# KiCad board motordriver.kicad_pcb (continued)
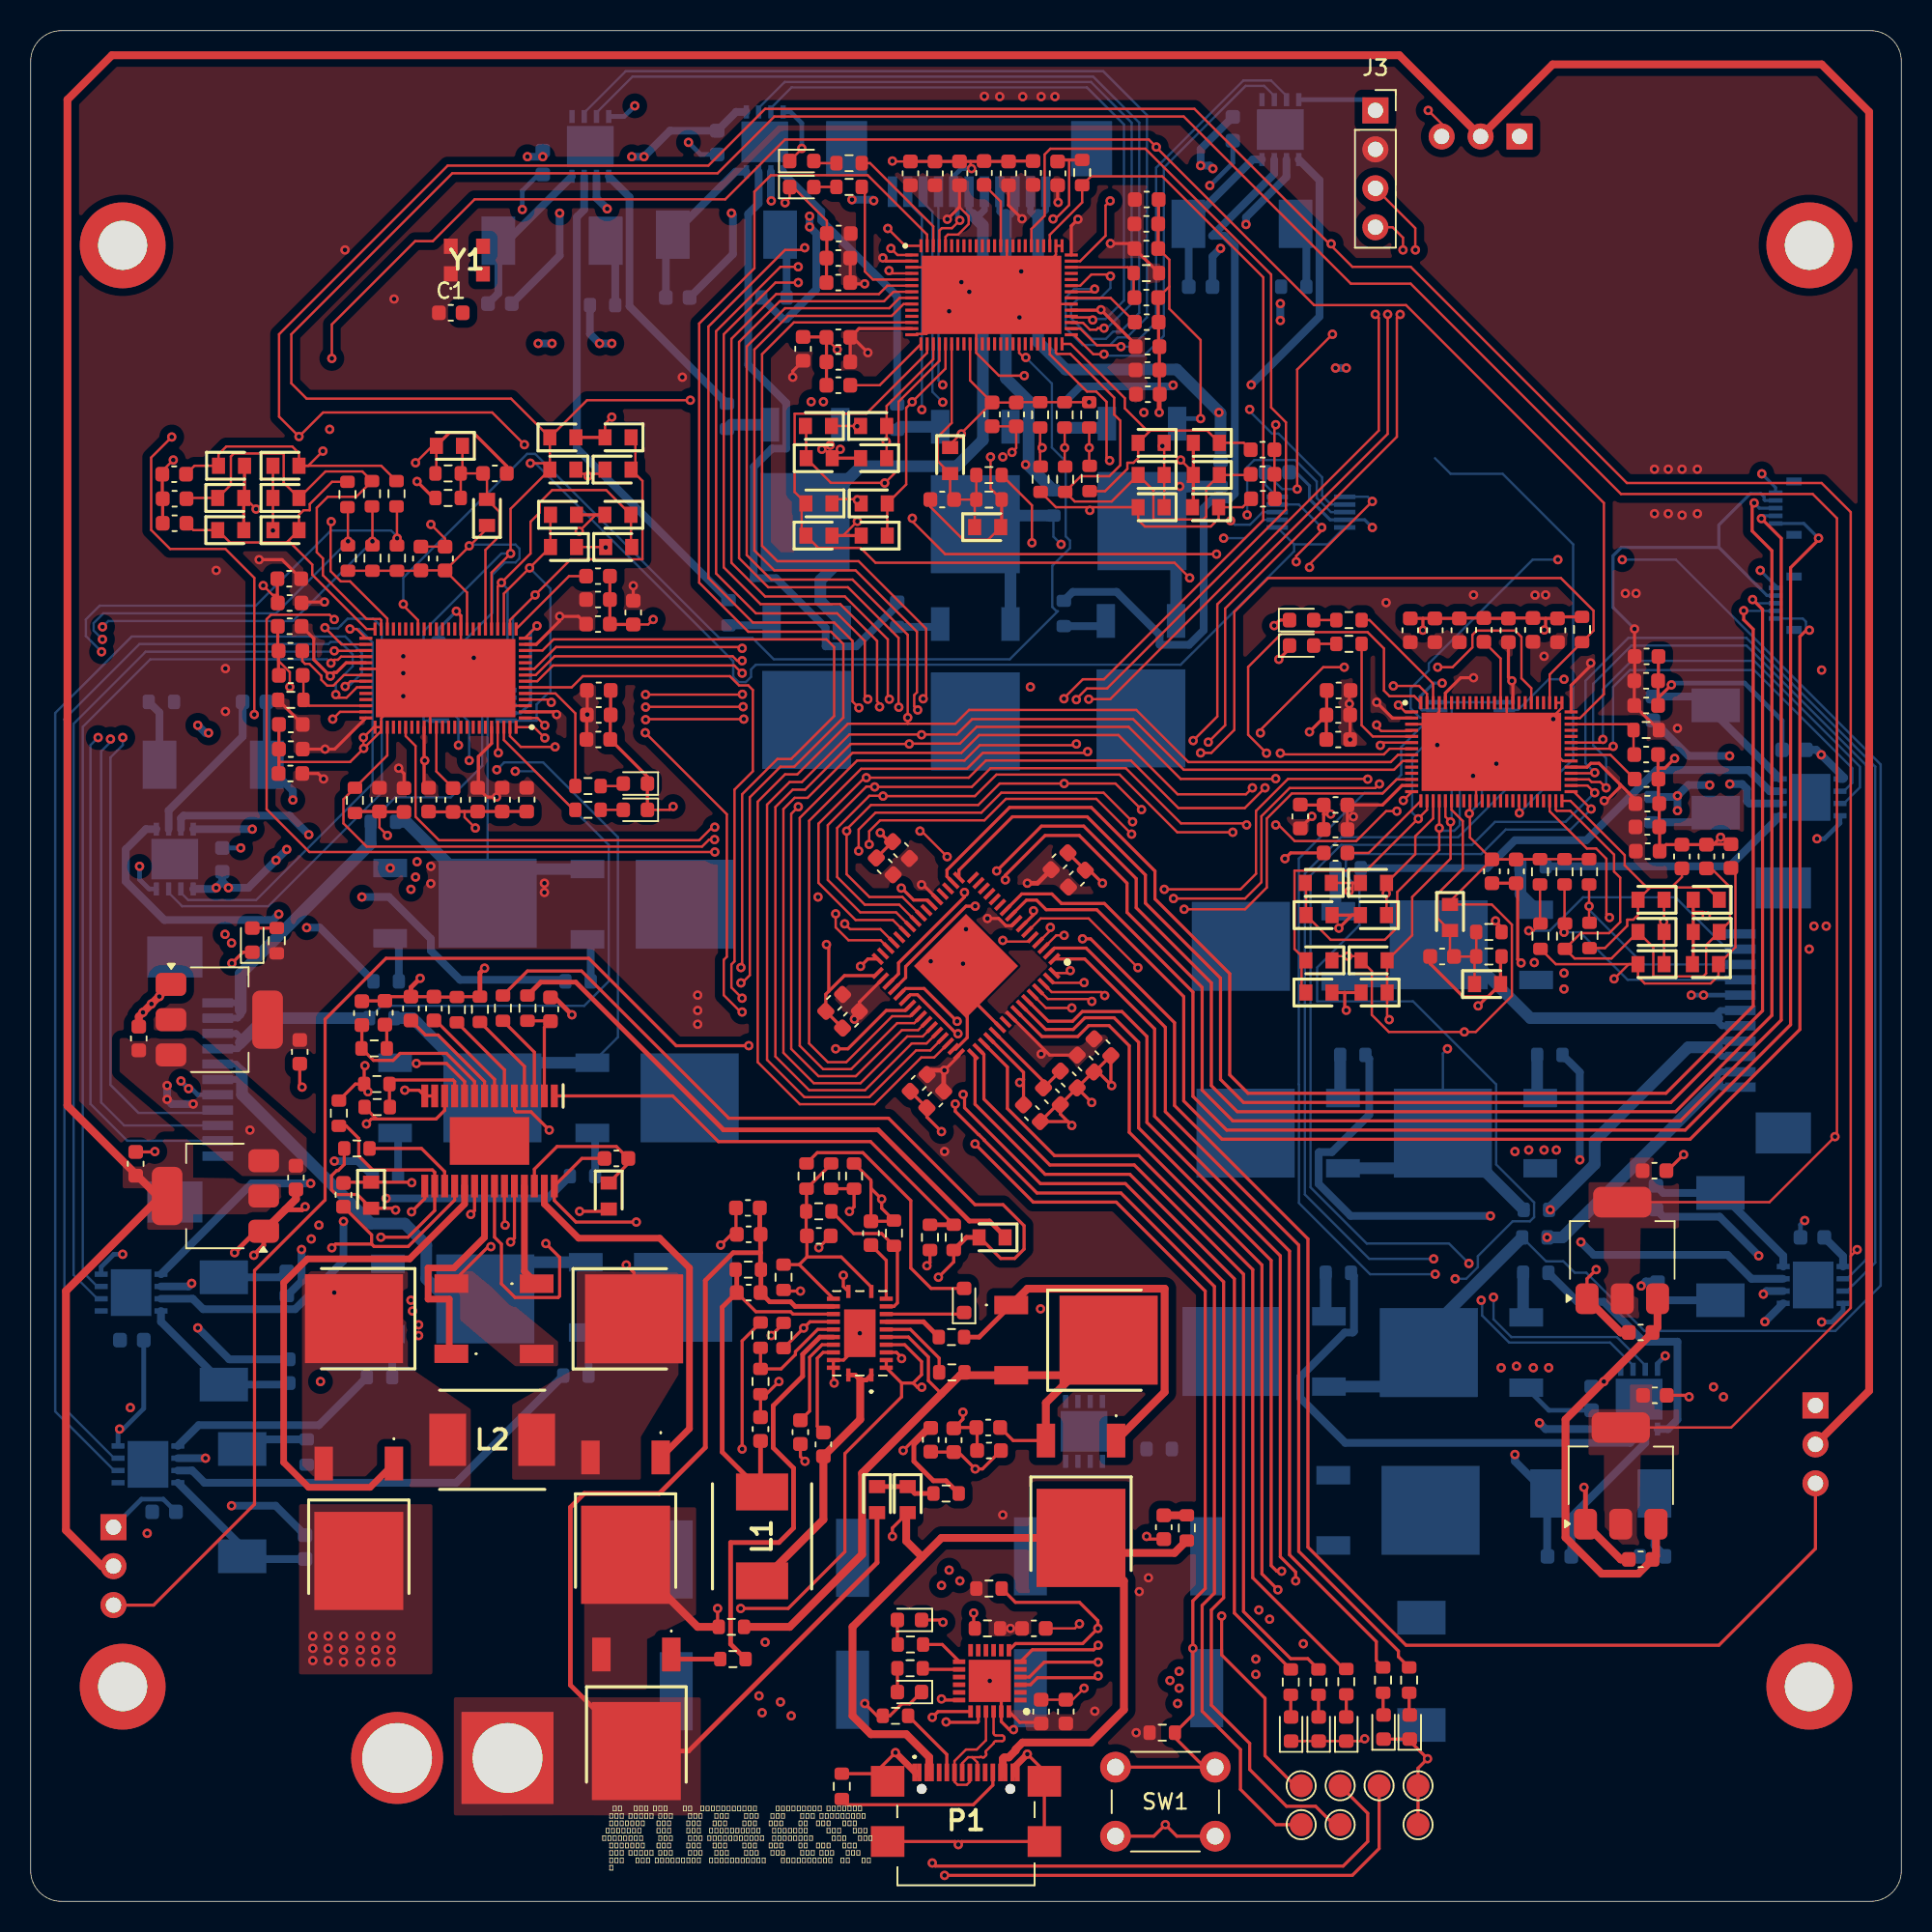
[diagram p0: board, top side]
## Placement (name value [footprint] x y rotation side) (continued)
R44  4.7kΩ  [R_0603_1608Metric]  67.44 96.94 270 top
R45  4.7kΩ  [R_0603_1608Metric]  65.84 96.94 270 top
R46  1kΩ  [R_0603_1608Metric]  65.87 92.75 270 top
R47  1kΩ  [R_0603_1608Metric]  67.47 92.75 270 top
R48  1kΩ  [R_0603_1608Metric]  69.06 92.8 270 top
R49  10kΩ  [R_0603_1608Metric]  68.57 112.75 90 top
R50  1kΩ  [R_0603_1608Metric]  53.38 113.36 0 top
R51  10kΩ  [R_0603_1608Metric]  72.76 106.19 0 top
R52  1kΩ  [R_0603_1608Metric]  53.38 111.81 0 top
R53  100kΩ  [R_0603_1608Metric]  62.5 93.02 180 top
R54  20kΩ  [R_0603_1608Metric]  62.5 91.42 0 top
R55  1kΩ  [R_0603_1608Metric]  89.9 14.43 90 top
R56  1kΩ  [R_0603_1608Metric]  88.2 14.43 90 top
R57  1kΩ  [R_0603_1608Metric]  82.18 14.3 90 top
R58  1kΩ  [R_0603_1608Metric]  83.99 14.3 90 top
R59  1kΩ  [R_0603_1608Metric]  85.8 14.32 90 top
R60  1kΩ  [R_0603_1608Metric]  62.5 20.4 180 top
R61  10kΩ  [R_0603_1608Metric]  62.4 17.8 0 top
R62  1kΩ  [R_0603_1608Metric]  57.38 16.75 0 top
R63  1kΩ  [R_0603_1608Metric]  57.35 15.2 0 top
R64  4.7kΩ  [R_0603_1608Metric]  20.69 87.6 90 top
R65  4.7kΩ  [R_0603_1608Metric]  22.29 87.6 90 top
R66  4.7kΩ  [R_0603_1608Metric]  23.89 87.6 90 top
R67  1kΩ  [R_0603_1608Metric]  23.86 91.8 90 top
R68  1kΩ  [R_0603_1608Metric]  22.26 91.8 90 top
R69  1kΩ  [R_0603_1608Metric]  20.66 91.75 90 top
R70  10kΩ  [R_0603_1608Metric]  21.15 71.8 270 top
R71  1kΩ  [R_0603_1608Metric]  36.35 71.19 180 top
R72  10kΩ  [R_0603_1608Metric]  16.96 78.36 180 top
R73  1kΩ  [R_0603_1608Metric]  36.35 72.73 180 top
R74  100kΩ  [R_0603_1608Metric]  27.22 91.53 0 top
R75  20kΩ  [R_0603_1608Metric]  27.22 93.12 180 top
R76  5Ω  [R_0603_1608Metric]  18 29.3 90 bottom
R77  4.7Ω  [R_0603_1608Metric]  35.56 34.29 0 bottom
R78  4.7Ω  [R_0603_1608Metric]  22.75 34.19 180 bottom
R79  5Ω  [R_0603_1608Metric]  16.7 40.3 90 bottom
R80  4.7Ω  [R_0603_1608Metric]  35.99 47.3 0 bottom
R81  4.7Ω  [R_0603_1608Metric]  23.14 47.3 180 bottom
R82  5Ω  [R_0603_1608Metric]  8.53 78.22 180 bottom
R83  4.7Ω  [R_0603_1608Metric]  35.7 60 0 bottom
R84  4.7Ω  [R_0603_1608Metric]  23.19 60 180 bottom
R85  0.01Ω  [R_0603_1608Metric]  23 70.4 0 bottom
R86  0.01Ω  [R_0603_1608Metric]  22.9 57.6 0 bottom
R87  4.7Ω  [R_0603_1608Metric]  73.6 29.5 180 bottom
R89  4.7kΩ  [R_0603_1608Metric]  101.63 67.14 270 top
R90  4.7kΩ  [R_0603_1608Metric]  100.03 67.14 270 top
R91  4.7kΩ  [R_0603_1608Metric]  98.44 67.14 270 top
R92  1kΩ  [R_0603_1608Metric]  98.47 62.94 270 top
R93  1kΩ  [R_0603_1608Metric]  100.06 62.94 270 top
R94  1kΩ  [R_0603_1608Metric]  101.66 63 270 top
R95  10kΩ  [R_0603_1608Metric]  101.18 82.94 90 top
R96  1kΩ  [R_0603_1608Metric]  85.97 83.56 0 top
R97  10kΩ  [R_0603_1608Metric]  105.36 76.39 0 top
R98  1kΩ  [R_0603_1608Metric]  85.97 82.01 0 top
R99  100kΩ  [R_0603_1608Metric]  95.1 63.22 180 top
R100  20kΩ  [R_0603_1608Metric]  95.1 61.62 0 top
R101  5Ω  [R_0603_1608Metric]  105.7 71.2 270 bottom
R102  4.7Ω  [R_0603_1608Metric]  85.92 67.38 180 bottom
R103  4.7Ω  [R_0603_1608Metric]  97.98 67.5 0 bottom
R104  5Ω  [R_0603_1608Metric]  106.1 39.6 270 bottom
R105  4.7Ω  [R_0603_1608Metric]  86.22 55.2 180 bottom
R106  4.7Ω  [R_0603_1608Metric]  99.07 55.2 0 bottom
R107  5Ω  [R_0603_1608Metric]  105.78 22.5 0 bottom
R108  4.7Ω  [R_0603_1608Metric]  85.28 40.99 180 bottom
R109  4.7Ω  [R_0603_1608Metric]  98.16 40.99 0 bottom
R110  0.01Ω  [R_0603_1608Metric]  98.1 43.3 180 bottom
R111  0.01Ω  [R_0603_1608Metric]  98.2 45.1 180 bottom
S1  ~  [PinHeader_1x03_P2.54mm_Vertical]  5.4 24.4 180 bottom
S2  ~  [PinHeader_1x03_P2.54mm_Vertical]  97.1 115.1 90 bottom
S3  ~  [PinHeader_1x03_P2.54mm_Vertical]  116.4 32.34 180 bottom
SW1  PUSH  [SW_PUSH_6mm]  70.75 8.75 0 top
TP1  RX  [TestPoint_Pad_D1.5mm]  82.86 5 0 top
TP2  TX  [TestPoint_Pad_D1.5mm]  85.4 5 0 top
TP3  GND  [TestPoint_Pad_D1.5mm]  90.48 7.54 0 top
TP4  SWCLK  [TestPoint_Pad_D1.5mm]  82.86 7.54 0 top
TP5  SWCLK  [TestPoint_Pad_D1.5mm]  85.4 7.54 0 top
TP6  SWDIO  [TestPoint_Pad_D1.5mm]  87.94 7.54 0 top
TP7  GND  [TestPoint_Pad_D1.5mm]  90.48 5 0 top
U1  LD1117S25TR_SOT223  [SOT-223-3_TabPin2]  103.8 42.45 90 top
U2  LD1117S33TR_SOT223  [SOT-223-3_TabPin2]  12.3 57.5 0 top
U3  LD1117S50TR_SOT223  [SOT-223-3_TabPin2]  12.05 46 180 top
U4  LD1117S50TR_SOT223  [SOT-223-3_TabPin2]  103.7 27.75 90 top
U5  TMC4671-LA  [QFN40P1050X650X90-77N]  62.66 104.77 0 top
U6  ATSAMD11D14A-M  [QFN50P400X400X90-25N-D]  62.55 14.38 180 top
U7  TMC4671-LA  [QFN40P1050X650X90-77N]  27.06 79.78 180 top
U8  TMC4671-LA  [QFN40P1050X650X90-77N]  95.26 74.97 0 top
Y1  DSC6001CI2B-025.0000T  [DSC6001CI2B0250000T]  28.45 107.04 0 top

## Library data of the parts
C1-C7 C9-C37 C39-C116 C118-C153 C155 = -: Description: Unpolarized capacitor; ki_fp_filters: C_*
C8 C38 C117 C154 = -: Description: Aluminum Electrolytic Capacitors - SMD 220uF 35volts; Height: 10.5; Mouser Part Number: 594-MAL215099001E3; Mouser Price/Stock: https://www.mouser.co.uk/ProductDetail/Vishay-BC-Components/MAL215099001E3?qs=Ep9Lwju7gVqiNejX6ixLsw%3D%3D; Manufacturer_Name: Vishay; Manufacturer_Part_Number: MAL215099001E3
D1-D3 D54-D57 D76-D78 = -: Description: Schottky diode; Height: 2.62; Mouser Part Number: 78-SL44HE3_B/I; Mouser Price/Stock: https://www.mouser.com/Search/Refine.aspx?Keyword=78-SL44HE3_B%2FI; Manufacturer_Name: Vishay; Manufacturer_Part_Number: SL44HE3_B/I; ki_fp_filters: TO-???* *_Diode_* *SingleDiode* D_*
D4 D5 D7 D9-D22 D24 D25 D27 D28 D36-D47 D49 D50 D52 D53 D58-D69 D71 D72 D74 D75 = -: Description: Schottky diode; Height: 0.85; Mouser Part Number: 750-CDBU0520; Mouser Price/Stock: https://www.mouser.co.uk/ProductDetail/Comchip-Technology/CDBU0520?qs=QrYNfmA0esYvGSGDalbccA%3D%3D; Manufacturer_Name: Comchip Technology; Manufacturer_Part_Number: CDBU0520; ki_fp_filters: TO-???* *_Diode_* *SingleDiode* D_*
D6 D8 D23 D26 D29-D35 D48 D51 D70 D73 = -: Description: Light emitting diode; ki_fp_filters: LED* LED_SMD:* LED_THT:*
H1-H4 = -: Description: Mounting Hole with connection; ki_fp_filters: MountingHole*Pad*
IC1-IC3 IC8-IC10 IC12-IC15 = -: Datasheet: http://www.ti.com/lit/gpn/LM5109B; Description: High Voltage 1A Peak Half Bridge Gate Driver; Height: 0.8; Mouser Part Number: 926-LM5109BSDX/NOPB; Mouser Price/Stock: https://www.mouser.co.uk/ProductDetail/Texas-Instruments/LM5109BSDX-NOPB?qs=QbsRYf82W3F6fMiLbkf%252BhQ%3D%3D; Manufacturer_Name: Texas Instruments; Manufacturer_Part_Number: LM5109BSDX/NOPB
IC4 IC11 IC16 = -: Datasheet: http://www.ti.com/lit/gpn/ina2181; Description: Dual Channel, 26V, Bi-Directional, Low-/High-Side Voltage Output Current Sense Amp; Height: 1.1; Manufacturer_Name: Texas Instruments; Arrow Price/Stock: https://www.arrow.com/en/products/ina2181a2idgsr/texas-instruments?region=nac; Mouser Part Number: 595-INA2181A2IDGSR; Mouser Price/Stock: https://www.mouser.co.uk/ProductDetail/Texas-Instruments/INA2181A2IDGSR?qs=j%252B1pi9TdxUbSc7%2FF4x4s3g%3D%3D
IC5 = -: Datasheet: http://www.ti.com/lit/gpn/BQ24133; Description: Synchronous Switch-Mode Li-Ion and Li-Polymer Stand-Alone Battery Charger; Height: 1; Mouser Part Number: 595-BQ24133RGYR; Mouser Price/Stock: https://www.mouser.co.uk/ProductDetail/Texas-Instruments/BQ24133RGYR?qs=O1HRStiETChtddIVJFsUHw%3D%3D; Manufacturer_Name: Texas Instruments
IC6 = -: Datasheet: http://www.ti.com/lit/gpn/LM5176; Description: 55V wide VIN synchronous 4-switch buck-boost controller; Height: 1.2; Manufacturer_Name: Texas Instruments; Arrow Price/Stock: https://www.arrow.com/en/products/lm5176pwpr/texas-instruments?region=nac; Mouser Part Number: 595-LM5176PWPR; Mouser Price/Stock: https://www.mouser.co.uk/ProductDetail/Texas-Instruments/LM5176PWPR?qs=gt1LBUVyoHk0fvuzFST3Ew%3D%3D
IC7 = -: Datasheet: http://www.microchip.com/mymicrochip/filehandler.aspx?ddocname=en599585; Description: ARM Microcontrollers - MCU 120MHZ 256KB Flash 64 QFN PKG inTray 125CTemp; Description_1: ARM Microcontrollers - MCU 120MHZ 256KB Flash 64 QFN PKG inTray 125CTemp; Height: 1; Manufacturer_Name: Microchip; Mouser Part Number: 556-ATSAME53J18A-MF; Mouser Price/Stock: https://www.mouser.co.uk/ProductDetail/Microchip-Technology/ATSAME53J18A-MF?qs=y6ZabgHbY%252Bx%252BZfU%252BT4hn9g%3D%3D
J1 J2 = -: Datasheet: https://cdn.amphenol-cs.com/media/wysiwyg/files/drawing/59453-0_2110echlf.pdf; Description: 0.50mm Flex Connectors, FPC/FFC Side Entry ZIF Connector, Surface Mount, 5 Positions, Top Contact, 0.50mm (0.020in) Pitch.; Height: 1; Manufacturer_Name: Amphenol Communications Solutions; Manufacturer_Part_Number: 59453-052110ECHLF
J3 = -: Description: Generic connector, single row, 01x04, script generated; ki_fp_filters: Connector*:*_1x??_*
J4 = -: MF: AMASS; MAXIMUM_PACKAGE_HEIGHT: 16.00 mm; Package: Package; Price: None; Check_prices: https://www.snapeda.com/parts/XT60-M/AMASS/view-part/?ref=eda; STANDARD: IPC 7351B; PARTREV: V1.2; SnapEDA_Link: https://www.snapeda.com/parts/XT60-M/AMASS/view-part/?ref=snap; Description_1: Plug; DC supply; XT60; male; PIN: 2; for cable; soldered; 30A; 500V; Availability: Not in stock; MANUFACTURER: AMASS
J5-J7 = -: Datasheet: https://componentsearchengine.com/Datasheets/2/1-84952-1.pdf; Description: FFC & FPC Connectors 1MM FPC HORZ .BTTM CONT.ASS.11P; Height: 2.74; Mouser Part Number: 571-1-84952-1; Mouser Price/Stock: https://www.mouser.co.uk/ProductDetail/TE-Connectivity/1-84952-1?qs=uUkeXfjQ8uS9Vjbveobf0Q%3D%3D; Manufacturer_Name: TE Connectivity
L1 = -: Description: Inductor; Height: 3; Mouser Part Number: 70-IHLP2525CZER3R3M0; Mouser Price/Stock: https://www.mouser.co.uk/ProductDetail/Vishay-Dale/IHLP2525CZER3R3M01?qs=PA%252BPfIdQ8xlEO%252B8WW0W2Xw%3D%3D; Manufacturer_Name: Vishay; Manufacturer_Part_Number: IHLP2525CZER3R3M01; ki_fp_filters: Choke_* *Coil* Inductor_* L_*
L2 = -: Description: Inductor; Height: 3; Mouser Part Number: 70-IHLP2525CZR1R0M06; Mouser Price/Stock: https://www.mouser.co.uk/ProductDetail/Vishay-Dale/IHLP2525CZER1R0M06?qs=gMuw6kkpPFiOvUjVH4k3sQ%3D%3D; Manufacturer_Name: Vishay; Manufacturer_Part_Number: IHLP2525CZER1R0M06; ki_fp_filters: Choke_* *Coil* Inductor_* L_*
P1 = -: Datasheet: https://gct.co/files/drawings/usb4110.pdf; Description: CONN USB 2.0 TYPE-C R/A SMT; Height: 3.26; Mouser Part Number: 640-USB4110-GF-A; Mouser Price/Stock: https://www.mouser.co.uk/ProductDetail/GCT/USB4110-GF-A?qs=KUoIvG%2F9IlYiZvIXQjyJeA%3D%3D; Manufacturer_Name: GCT (GLOBAL CONNECTOR TECHNOLOGY); Manufacturer_Part_Number: USB4110-GF-A
Q1-Q8 Q10-Q26 = -: Datasheet: https://www.infineon.com/dgdl/Infineon-IPD047N03LF2S-DataSheet-v01_00-EN.pdf?fileId=8ac78c8c92416ca50192b89c5f296484; Description: N-Channel 30 V 71A (Tc) 65W (Tc) Surface Mount PG-TO252-3; Description_1: N-Channel 30 V 71A (Tc) 65W (Tc) Surface Mount PG-TO252-3; Height: 2.52; Manufacturer_Name: Infineon; Manufacturer_Part_Number: IPD047N03LF2SATMA1
Q9 = -: Datasheet: https://www.infineon.com/dgdl/Infineon-IPD70P04P4L-08-DataSheet-v01_02-EN.pdf?fileId=db3a30432f69f146012f78225bd32dbf; Description: P-Channel 40 V 70A (Tc) 75W (Tc) Surface Mount PG-TO252-3-313; Description_1: P-Channel 40 V 70A (Tc) 75W (Tc) Surface Mount PG-TO252-3-313; Height: 2.5; Mouser Part Number: 726-IPD70P04P4L08ATM; Mouser Price/Stock: https://www.mouser.co.uk/ProductDetail/Infineon-Technologies/IPD70P04P4L08ATMA2?qs=GBLSl2AkirsG%2F%252BiweZHiEQ%3D%3D; Manufacturer_Name: Infineon; Manufacturer_Part_Number: IPD70P04P4L08ATMA2
R1-R87 R89-R111 = -: Description: Resistor; ki_fp_filters: R_*
S1-S3 = -: Description: Generic connector, single row, 01x03, script generated; ki_fp_filters: Connector*:*_1x??_*
SW1 = -: Description: Push button switch, generic, two pins
TP1-TP7 = -: Description: test point; ki_fp_filters: Pin* Test*
U1 = -: Datasheet: http://www.st.com/st-web-ui/static/active/en/resource/technical/document/datasheet/CD00000544.pdf; Description: 800mA Fixed Low Drop Positive Voltage Regulator, Fixed Output 2.5V, SOT-223; ki_fp_filters: SOT?223*TabPin2*
U2 = -: Datasheet: http://www.st.com/st-web-ui/static/active/en/resource/technical/document/datasheet/CD00000544.pdf; Description: 800mA Fixed Low Drop Positive Voltage Regulator, Fixed Output 3.3V, SOT-223; ki_fp_filters: SOT?223*TabPin2*
U3 U4 = -: Datasheet: http://www.st.com/st-web-ui/static/active/en/resource/technical/document/datasheet/CD00000544.pdf; Description: 800mA Fixed Low Drop Positive Voltage Regulator, Fixed Output 5.0V, SOT-223; ki_fp_filters: SOT?223*TabPin2*
U5 U7 U8 = -: Datasheet: https://www.analog.com/TMC4671/datasheet; Description: Fully integrated servo controller, providing Field Oriented Control for BLDC/PMSM and 2-phase Stepper Motors as well as DC motors and voice coils.; Height: 0.9; Mouser Part Number: 700-TMC4671-LA; Mouser Price/Stock: https://www.mouser.co.uk/ProductDetail/ADI-Trinamic/TMC4671-LA?qs=TiOZkKH1s2Q5Kur6316zpQ%3D%3D; Manufacturer_Name: Analog Devices
U6 = -: Datasheet: http://ww1.microchip.com/downloads/en/devicedoc/atmel-42363-sam-d11_datasheet.pdf; Description: ARM Microcontrollers - MCU Cortex-M0+, 16KB FLASH,4KB SRAM, USB - 24 QFN,105C, GREEN,1.6-3.6V,48MHz,USB; Height: 0.9; Mouser Part Number: 556-ATSAMD11D14A-MNT; Mouser Price/Stock: https://www.mouser.co.uk/ProductDetail/Microchip-Technology/ATSAMD11D14A-MNT?qs=TUMPge1mmM4EmPH0BaBkuQ%3D%3D; Manufacturer_Name: Microchip; Manufacturer_Part_Number: ATSAMD11D14A-MNT
Y1 = -: Datasheet: https://ww1.microchip.com/downloads/aemDocuments/documents/TCG/ProductDocuments/DataSheets/DSC60xxB-Ultra-Small-Ultra-Low-Power-MEMS-Oscillator-DS20006133.pdf; Description: Standard Clock Oscillators MEMS OSC, LVCMOS, 25MHz, 25PPM, 1.8-3.3V, -40 to 85C, 3.2 x 2.5mm; Height: 0.9; Mouser Part Number: 579-1CI2B-025.0000T; Mouser Price/Stock: https://www.mouser.co.uk/ProductDetail/Microchip-Technology/DSC6001CI2B-025.0000T?qs=jRuttqqUwMT3Lnl3VzC%2FgA%3D%3D; Manufacturer_Name: Microchip

## Footprints (pads in the part's own frame, mm; a bottom-side part is the same pattern mirrored in y, then rotated)
1849521
  rect 0.61x2 smd: 1(-5,3.7) 2(-4,3.7) 3(-3,3.7) 4(-2,3.7) 5(-1,3.7) 6(0,3.7) 7(1,3.7) 8(2,3.7) 9(3,3.7) 10(4,3.7) 11(5,3.7)
  rect 2.68x3.6 smd: MP1(-7.99,0.9) MP2(7.99,0.9)
59453052110ECHLF
  rect 0.3x0.9 smd: 1(-1,1.6) 2(-0.5,1.6) 3(0,1.6) 4(0.5,1.6) 5(1,1.6)
  rect 0.52x1 smd: 6(-1.74,0.4) 7(1.74,0.4)
AMASS_XT60-M
  round 6 hole 4.55: N(3.6,0)
  rect 6x6 hole 4.55: P(-3.6,0)
BQ24133RGYR
  rect 0.85x0.28 smd: 1(-2.725,-0.75) 12(2.725,-0.75) 13(2.725,0.75) 24(-2.725,0.75)
  rect 0.28x0.85 smd: 2(-2.25,-1.725) 3(-1.75,-1.725) 4(-1.25,-1.725) 5(-0.75,-1.725) 6(-0.25,-1.725) 7(0.25,-1.725) 8(0.75,-1.725) 9(1.25,-1.725) 10(1.75,-1.725) 11(2.25,-1.725) 14(2.25,1.725) 15(1.75,1.725) 16(1.25,1.725) 17(0.75,1.725) 18(0.25,1.725) 19(-0.25,1.725) 20(-0.75,1.725) 21(-1.25,1.725) 22(-1.75,1.725) 23(-2.25,1.725)
  rect 3.1x2.05 smd: 25(0,0)
C_0603_1608Metric
  rrect 0.9x0.95 smd: 1(-0.775,0) 2(0.775,0)
CAPAE1050X1050N
  rect 5.1x2.15 smd: 1(-4.3,0) 2(4.3,0)
D_0603_1608Metric
  rrect 0.875x0.95 smd: 1(-0.787,0) 2(0.787,0)
DIOC1709X85N
  rect 0.85x1.05 smd: 1(-0.85,0) 2(0.85,0)
DIOM7959X262N
  rect 2.2x3.15 smd: 1(-3.5,0) 2(3.5,0)
DSC6001CI2B0250000T
  rect 0.9x1 smd: 1(-1.05,-0.9) 2(1.05,-0.9) 3(1.05,0.9) 4(-1.05,0.9)
INDPM6965X300N
  rect 2.4x3.4 smd: 1(-2.9,0) 2(2.9,0)
IPD047N03LF2SATMA1
  rect 1.2x2.2 smd: 1(-2.29,-4.235) 3(2.29,-4.235)
  rect 5.8x6.4 smd: 2(0,2.115)
IPD70P04P4L08ATMA2
  rect 1.2x2.2 smd: 1(-2.28,-5.22) 3(2.28,-5.22)
  rect 5.8x6.4 smd: 2(0,1.08)
MountingHole_3.2mm_M3_DIN965_Pad
  round 5.6 hole 3.2: 1(0,0)
PinHeader_1x03_P2.54mm_Vertical
  rect 1.7x1.7 hole 1: 1(0,0)
  oval 1.7x1.7 hole 1: 2(0,-2.54) 3(0,-5.08)
PinSocket_1x04_P2.54mm_Vertical
  rect 1.7x1.7 hole 1: 1(0,0)
  oval 1.7x1.7 hole 1: 2(0,-2.54) 3(0,-5.08) 4(0,-7.62)
QFN40P1050X650X90-77N
  rect 0.85x0.2 smd: 1(-5.2,2.6) 2(-5.2,2.2) 3(-5.2,1.8) 4(-5.2,1.4) 5(-5.2,1) 6(-5.2,0.6) 7(-5.2,0.2) 8(-5.2,-0.2) 9(-5.2,-0.6) 10(-5.2,-1) 11(-5.2,-1.4) 12(-5.2,-1.8) 13(-5.2,-2.2) 14(-5.2,-2.6) 39(5.2,-2.6) 40(5.2,-2.2) 41(5.2,-1.8) 42(5.2,-1.4) 43(5.2,-1) 44(5.2,-0.6) 45(5.2,-0.2) 46(5.2,0.2) 47(5.2,0.6) 48(5.2,1) 49(5.2,1.4) 50(5.2,1.8) 51(5.2,2.2) 52(5.2,2.6)
  rect 0.2x0.85 smd: 15(-4.6,-3.2) 16(-4.2,-3.2) 17(-3.8,-3.2) 18(-3.4,-3.2) 19(-3,-3.2) 20(-2.6,-3.2) 21(-2.2,-3.2) 22(-1.8,-3.2) 23(-1.4,-3.2) 24(-1,-3.2) 25(-0.6,-3.2) 26(-0.2,-3.2) 27(0.2,-3.2) 28(0.6,-3.2) 29(1,-3.2) 30(1.4,-3.2) 31(1.8,-3.2) 32(2.2,-3.2) 33(2.6,-3.2) 34(3,-3.2) 35(3.4,-3.2) 36(3.8,-3.2) 37(4.2,-3.2) 38(4.6,-3.2) 53(4.6,3.2) 54(4.2,3.2) 55(3.8,3.2) 56(3.4,3.2) 57(3,3.2) 58(2.6,3.2) 59(2.2,3.2) 60(1.8,3.2) 61(1.4,3.2) 62(1,3.2) 63(0.6,3.2) 64(0.2,3.2) 65(-0.2,3.2) 66(-0.6,3.2) 67(-1,3.2) 68(-1.4,3.2) 69(-1.8,3.2) 70(-2.2,3.2) 71(-2.6,3.2) 72(-3,3.2) 73(-3.4,3.2) 74(-3.8,3.2) 75(-4.2,3.2) 76(-4.6,3.2)
  rect 9.1x5.1 smd: 77(0,0)
QFN50P400X400X90-25N-D
  rect 0.8x0.3 smd: 1(-2,1.25) 2(-2,0.75) 3(-2,0.25) 4(-2,-0.25) 5(-2,-0.75) 6(-2,-1.25) 13(2,-1.25) 14(2,-0.75) 15(2,-0.25) 16(2,0.25) 17(2,0.75) 18(2,1.25)
  rect 0.3x0.8 smd: 7(-1.25,-2) 8(-0.75,-2) 9(-0.25,-2) 10(0.25,-2) 11(0.75,-2) 12(1.25,-2) 19(1.25,2) 20(0.75,2) 21(0.25,2) 22(-0.25,2) 23(-0.75,2) 24(-1.25,2)
  rect 2.75x2.75 smd: 25(0,0)
QFN50P900X900X100-65N-D
  rect 0.9x0.25 smd: 1(-4.4,3.75) 2(-4.4,3.25) 3(-4.4,2.75) 4(-4.4,2.25) 5(-4.4,1.75) 6(-4.4,1.25) 7(-4.4,0.75) 8(-4.4,0.25) 9(-4.4,-0.25) 10(-4.4,-0.75) 11(-4.4,-1.25) 12(-4.4,-1.75) 13(-4.4,-2.25) 14(-4.4,-2.75) 15(-4.4,-3.25) 16(-4.4,-3.75) 33(4.4,-3.75) 34(4.4,-3.25) 35(4.4,-2.75) 36(4.4,-2.25) 37(4.4,-1.75) 38(4.4,-1.25) 39(4.4,-0.75) 40(4.4,-0.25) 41(4.4,0.25) 42(4.4,0.75) 43(4.4,1.25) 44(4.4,1.75) 45(4.4,2.25) 46(4.4,2.75) 47(4.4,3.25) 48(4.4,3.75)
  rect 0.25x0.9 smd: 17(-3.75,-4.4) 18(-3.25,-4.4) 19(-2.75,-4.4) 20(-2.25,-4.4) 21(-1.75,-4.4) 22(-1.25,-4.4) 23(-0.75,-4.4) 24(-0.25,-4.4) 25(0.25,-4.4) 26(0.75,-4.4) 27(1.25,-4.4) 28(1.75,-4.4) 29(2.25,-4.4) 30(2.75,-4.4) 31(3.25,-4.4) 32(3.75,-4.4) 49(3.75,4.4) 50(3.25,4.4) 51(2.75,4.4) 52(2.25,4.4) 53(1.75,4.4) 54(1.25,4.4) 55(0.75,4.4) 56(0.25,4.4) 57(-0.25,4.4) 58(-0.75,4.4) 59(-1.25,4.4) 60(-1.75,4.4) 61(-2.25,4.4) 62(-2.75,4.4) 63(-3.25,4.4) 64(-3.75,4.4)
  rect 4.8x4.8 smd: 65(0,0)
R_0603_1608Metric
  rrect 0.8x0.95 smd: 1(-0.825,0) 2(0.825,0)
SON80P400X400X80-9N
  rect 0.85x0.35 smd: 1(-1.95,1.2) 2(-1.95,0.4) 3(-1.95,-0.4) 4(-1.95,-1.2) 5(1.95,-1.2) 6(1.95,-0.4) 7(1.95,0.4) 8(1.95,1.2)
  rect 2.65x3.05 smd: 9(0,0)
SOP50P490X110-10N
  rect 1.4x0.3 smd: 1(-2.2,1) 2(-2.2,0.5) 3(-2.2,0) 4(-2.2,-0.5) 5(-2.2,-1) 6(2.2,-1) 7(2.2,-0.5) 8(2.2,0) 9(2.2,0.5) 10(2.2,1)
SOP65P640X120-29N
  rect 1.475x0.45 smd: 1(-2.938,4.225) 2(-2.938,3.575) 3(-2.938,2.925) 4(-2.938,2.275) 5(-2.938,1.625) 6(-2.938,0.975) 7(-2.938,0.325) 8(-2.938,-0.325) 9(-2.938,-0.975) 10(-2.938,-1.625) 11(-2.938,-2.275) 12(-2.938,-2.925) 13(-2.938,-3.575) 14(-2.938,-4.225) 15(2.938,-4.225) 16(2.938,-3.575) 17(2.938,-2.925) 18(2.938,-2.275) 19(2.938,-1.625) 20(2.938,-0.975) 21(2.938,-0.325) 22(2.938,0.325) 23(2.938,0.975) 24(2.938,1.625) 25(2.938,2.275) 26(2.938,2.925) 27(2.938,3.575) 28(2.938,4.225)
  rect 3.1x5.18 smd: 29(0,0)
SOT-223-3_TabPin2
  rrect 2x1.5 smd: 1(-3.15,2.3) 2(-3.15,0) 3(-3.15,-2.3)
  rrect 2x3.8 smd: 2(3.15,0)
SW_PUSH_6mm
  round 2 hole 1.1: 1(0,0) 1(6.5,0) 2(0,-4.5) 2(6.5,-4.5)
TestPoint_Pad_D1.5mm
  round 1.5 smd: 1(0,0)
USB4110GFA
  round 0.65 hole 0.65 unplated: (-2.89,2.603) (2.89,2.603)
  rect 0.3x1.15 smd: A1(-3.35,3.678) A4(-2.55,3.678) A5(-1.25,3.678) A6(-0.25,3.678) A7(0.25,3.678) A8(1.25,3.678) A9(2.55,3.678) A12(3.35,3.678) B1(3.05,3.678) B4(2.25,3.678) B5(1.75,3.678) B6(0.75,3.678) B7(-0.75,3.678) B8(-1.75,3.678) B9(-2.25,3.678) B12(-3.05,3.678)
  rect 2.18x2 smd: MP1(-5.11,-0.827) MP2(5.11,-0.827) MP3(-5.11,3.103) MP4(5.11,3.103)

## Nets
+2.5V: C13.1 D15.2 D16.1 D17.2 D18.1 D40.2 D41.1 D42.2 D43.1 D62.2 D63.1 D64.2 D65.1 IC4.5 IC4.6 IC11.5 IC11.6 IC16.5 IC16.6 U1.2 U5.17 U5.19 U7.17 U7.19 U8.17 U8.19
+3.3V: C1.1 C20.1 C39.2 C40.2 C41.2 C42.2 C44.2 C48.2 C49.2 C50.2 C51.2 C53.2 C54.2 C55.2 C56.2 C57.2 C59.2 C60.2 C62.2 C63.2 C67.1 C68.1 C69.1 C70.1 C71.1 C72.1 C73.1 C74.1 C75.1 C76.1 C77.1 C78.1 C82.1 C83.2 C84.2 C85.2 C86.2 C88.2 C92.2 C93.2 C94.2 C95.2 C97.2 C98.2 C99.2 C100.2 C101.2 C103.2 C104.2 C106.2 C107.2 C120.2 C121.2 C122.2 C123.2 C125.2 C129.2 C130.2 C131.2 C132.2 C134.2 C135.2 C136.2 C137.2 C138.2 C140.2 C141.2 C143.2 C144.2 IC7.8 IC7.21 IC7.34 IC7.48 IC7.56 J1.2 J2.2 J3.2 R29.2 R42.1 R51.2 R60.2 R61.2 R72.2 R97.2 U2.2 U5.2 U5.13 U5.43 U5.52 U5.61 U5.72 U6.24 U7.2 U7.13 U7.43 U7.52 U7.61 U7.72 U8.2 U8.13 U8.43 U8.52 U8.61 U8.72 Y1.1 Y1.4
+5V: C26.1 S1.2 S2.2 S3.2 U3.2
+5VA: C9.2 C31.1 C64.2 C66.2 C108.2 C110.2 C118.2 C145.2 C147.2 C155.2 D11.1 D13.1 D15.1 D17.1 D19.1 D21.1 D24.1 D27.1 D36.1 D38.1 D40.1 D42.1 D44.1 D46.1 D49.1 D52.1 D58.1 D60.1 D62.1 D64.1 D66.1 D68.1 D71.1 D74.1 IC4.10 IC11.10 IC16.10 R43.1 R44.1 R45.1 R64.1 R65.1 R66.1 R89.1 R90.1 R91.1 U4.2 U5.23 U7.23 U8.23
+12V: C3.1 C5.1 C7.1 C8.1 C10.1 C16.1 C22.1 C28.1 C38.1 C112.1 C114.1 C116.1 C117.1 C119.1 C149.1 C151.1 C153.1 C154.1 D57.1 IC1.1 IC2.1 IC3.1 IC6.12 IC6.24 IC8.1 IC9.1 IC10.1 IC12.1 IC13.1 IC14.1 IC15.1 J5.1 J6.1 J7.1 Q1.2 Q3.2 Q5.2 Q12.2 Q14.2 Q16.2 Q18.2 Q21.2 Q23.2 Q25.2 R1.1 R4.1 R7.1 R34.2 R53.1 R74.1 R76.1 R79.1 R82.1 R99.1 R101.1 R104.1 R107.1 U1.3 U2.3 U3.3 U4.3
/voltageregulators/VCC: D9.2 D10.2 IC6.23 R36.1
GND: C1.2 C3.2 C5.2 C7.2 C8.2 C9.1 C10.2 C11.2 C12.2 C13.2 C14.2 C15.2 C16.2 C18.2 C19.2 C20.2 C22.2 C23.2 C24.1 C26.2 C27.2 C28.2 C29.2 C30.2 C31.2 C32.1 C33.1 C34.1 C36.1 C38.2 C39.1 C40.1 C41.1 C42.1 C43.1 C44.1 C45.1 C46.1 C47.1 C48.1 C49.1 C50.1 C51.1 C52.2 C53.1 C54.1 C55.1 C56.1 C57.1 C58.1 C59.1 C60.1 C61.1 C62.1 C63.1 C64.1 C65.1 C66.1 C67.2 C68.2 C69.2 C70.2 C71.2 C72.2 C73.2 C74.2 C75.2 C76.2 C77.2 C78.2 C79.1 C80.1 C81.2 C82.2 C83.1 C84.1 C85.1 C86.1 C87.1 C88.1 C89.1 C90.1 C91.1 C92.1 C93.1 C94.1 C95.1 C96.2 C97.1 C98.1 C99.1 C100.1 C101.1 C102.1 C103.1 C104.1 C105.1 C106.1 C107.1 C108.1 C109.1 C110.1 C112.2 C114.2 C116.2 C117.2 C118.1 C119.2 C120.1 C121.1 C122.1 C123.1 C124.1 C125.1 C126.1 C127.1 C128.1 C129.1 C130.1 C131.1 C132.1 C133.2 C134.1 C135.1 C136.1 C137.1 C138.1 C139.1 C140.1 C141.1 C142.1 C143.1 C144.1 C145.1 C146.1 C147.1 C149.2 C151.2 C153.2 C154.2 C155.1 D8.1 D12.2 D14.2 D16.2 D18.2 D20.2 D22.2 D23.1 D25.2 D26.1 D28.2 D29.1 D30.1 D31.1 D32.1 D33.1 D34.1 D35.1 D37.2 D39.2 D41.2 D43.2 D45.2 D47.2 D48.1 D50.2 D51.1 D53.2 D57.2 D59.2 D61.2 D63.2 D65.2 D67.2 D69.2 D70.1 D72.2 D73.1 D75.2 H1.1 H2.1 H3.1 H4.1 IC1.4 IC2.4 IC3.4 IC4.4 IC5.22 IC5.23 IC5.25 IC6.5 IC6.10 IC6.13 IC6.14 IC6.15 IC6.22 IC7.7 IC7.22 IC7.33 IC7.47 IC7.54 IC7.65 IC8.4 IC9.4 IC10.4 IC11.4 IC12.4 IC13.4 IC14.4 IC15.4 IC16.4 J1.1 J2.1 J3.1 J4.N J5.5 J6.5 J7.5 P1.A1 P1.A12 P1.B1 P1.B12 P1.MP1 P1.MP2 P1.MP3 P1.MP4 Q2.3 Q4.3 Q6.3 Q15.3 Q17.3 Q19.3 Q20.2 Q20.3 Q22.3 Q24.3 Q26.3 R15.1 R18.1 R23.2 R25.1 R31.1 R32.1 R35.1 R38.1 R39.1 R40.2 R41.1 R49.2 R54.2 R70.2 R75.2 R95.2 R100.2 S1.1 S2.1 S3.1 SW1.2 TP3.1 TP7.1 U1.1 U2.1 U3.1 U4.1 U5.3 U5.14 U5.24 U5.44 U5.53 U5.54 U5.62 U5.73 U5.77 U6.23 U6.25 U7.3 U7.14 U7.24 U7.44 U7.53 U7.54 U7.62 U7.73 U7.77 U8.3 U8.14 U8.24 U8.44 U8.53 U8.54 U8.62 U8.73 U8.77 Y1.2
/brake/BRAKE: IC12.3 U5.31 U7.31 U8.31
/gates1/PHASE_U: IC4.2 J7.10 J7.11 R10.1
/gates1/PHASE_V: IC4.8 J7.8 J7.9 R11.1
/gates1/PHASE_W: J7.6 J7.7 Q5.3 Q6.2
/gates1/PWM_U_H: IC3.2 U5.39
/gates1/PWM_U_L: IC3.3 U5.40
/gates1/PWM_V_H: IC2.2 U5.41
/gates1/PWM_V_L: IC2.3 U5.42
/gates1/PWM_W_H: IC1.2 U5.46
/gates1/PWM_W_L: IC1.3 U5.47
/gates2/PHASE_U: IC11.2 J6.10 J6.11 R85.1
/gates2/PHASE_V: IC11.8 J6.8 J6.9 R86.1
/gates2/PHASE_W: J6.6 J6.7 Q18.3 Q19.2
/gates2/PWM_U_H: IC10.2 U7.39
/gates2/PWM_U_L: IC10.3 U7.40
/gates2/PWM_V_H: IC9.2 U7.41
/gates2/PWM_V_L: IC9.3 U7.42
/gates2/PWM_W_H: IC8.2 U7.46
/gates2/PWM_W_L: IC8.3 U7.47
/gates3/PHASE_U: IC16.2 J5.10 J5.11 R110.1
/gates3/PHASE_V: IC16.8 J5.8 J5.9 R111.1
/gates3/PHASE_W: J5.6 J5.7 Q25.3 Q26.2
/gates3/PWM_U_H: IC15.2 U8.39
/gates3/PWM_U_L: IC15.3 U8.40
/gates3/PWM_V_H: IC14.2 U8.41
/gates3/PWM_V_L: IC14.3 U8.42
/gates3/PWM_W_H: IC13.2 U8.46
/gates3/PWM_W_L: IC13.3 U8.47
/IO/BATTVIN: C25.2 C27.1 C29.1 D4.2 IC5.15 J4.P Q9.2 R27.1
/IO/BRAKE1: IC7.39 S1.3
/IO/BRAKE2: IC7.40 S2.3
/IO/BRAKE3: IC7.32 S3.3
/IO/D+: P1.A6 P1.B6 U6.22
/IO/D-: P1.A7 P1.B7 U6.21
/IO/DBG_RESETN: R61.1 TP4.1 U6.18
/IO/DBG_SWCLK: TP5.1 U6.19
/IO/DBG_SWDIO: TP6.1 U6.20
/IO/INT_IMU1: IC7.9 J1.5
/IO/INT_IMU2: IC7.10 J2.5
/IO/OLED_SCL: IC7.30 J3.4
/IO/OLED_SDA: IC7.29 J3.3
/IO/RESETN: C81.1 IC7.52 R42.2 SW1.1 U6.4
/IO/RX: IC7.37 TP1.1
/IO/SCL_IMU1: IC7.18 J1.4
/IO/SCL_IMU2: IC7.36 J2.4
/IO/SDA_IMU1: IC7.17 J1.3
/IO/SDA_IMU2: IC7.35 J2.3
/IO/TX: IC7.38 TP2.1
/IO/USBVIN: D5.2 P1.A4 P1.A9 P1.B4 P1.B9 Q7.2 R13.2 R14.2
/microcontrollers/ERRLED: IC7.2 R55.2
/microcontrollers/PROCLED: IC7.1 R56.2
/microcontrollers/SERVO1_CS: IC7.64 U5.6
/microcontrollers/SERVO1_DB_CS: IC7.3 U5.75
/microcontrollers/SERVO1_PWM_I: IC7.41 U5.58
/microcontrollers/SERVO1_STATUS: IC7.4 U5.12
/microcontrollers/SERVO2_CS: IC7.63 U7.6
/microcontrollers/SERVO2_DB_CS: IC7.60 U7.75
/microcontrollers/SERVO2_PWM_I: IC7.42 U7.58
/microcontrollers/SERVO2_STATUS: IC7.5 U7.12
/microcontrollers/SERVO3_CS: IC7.62 U8.6
/microcontrollers/SERVO3_DB_CS: IC7.61 U8.75
/microcontrollers/SERVO3_PWM_I: IC7.43 U8.58
/microcontrollers/SERVO3_STATUS: IC7.6 U8.12
/microcontrollers/STATUS1: IC7.49 R57.2
/microcontrollers/STATUS2: IC7.50 R58.2
/microcontrollers/STATUS3: IC7.51 R59.2
/motorIO/HALL_A1: J5.3 R89.2 R94.1
/motorIO/HALL_A2: J6.3 R64.2 R69.1
/motorIO/HALL_A3: J7.3 R43.2 R48.1
/motorIO/HALL_B1: J5.4 R90.2 R93.1
/motorIO/HALL_B2: J6.4 R65.2 R68.1
/motorIO/HALL_B3: J7.4 R44.2 R47.1
/motorIO/HALL_C1: J5.2 R91.2 R92.1
/motorIO/HALL_C2: J6.2 R66.2 R67.1
/motorIO/HALL_C3: J7.2 R45.2 R46.1
/servo1/ADC_I0_POS: D11.2 D12.1 IC4.1 U5.16
/servo1/ADC_I1_POS: D13.2 D14.1 IC4.9 U5.18
/servo1/HALL_U_FILT: C43.2 D24.2 D25.1 R48.2 U5.38
/servo1/HALL_V_FILT: C46.2 D21.2 D22.1 R47.2 U5.37
/servo1/HALL_W_FILT: C47.2 D19.2 D20.1 R46.2 U5.36
/servo2/ADC_I0_POS: D36.2 D37.1 IC11.1 U7.16
/servo2/ADC_I1_POS: D38.2 D39.1 IC11.9 U7.18
/servo2/HALL_U_FILT: C87.2 D49.2 D50.1 R69.2 U7.38
/servo2/HALL_V_FILT: C90.2 D46.2 D47.1 R68.2 U7.37
/servo2/HALL_W_FILT: C91.2 D44.2 D45.1 R67.2 U7.36
/servo3/ADC_I0_POS: D58.2 D59.1 IC16.1 U8.16
/servo3/ADC_I1_POS: D60.2 D61.1 IC16.9 U8.18
/servo3/HALL_U_FILT: C124.2 D71.2 D72.1 R94.2 U8.38
/servo3/HALL_V_FILT: C127.2 D68.2 D69.1 R93.2 U8.37
/servo3/HALL_W_FILT: C128.2 D66.2 D67.1 R92.2 U8.36
/voltageregulators/BOOT1: C35.1 D10.1 IC6.26
/voltageregulators/BOOT2: C37.2 D9.1 IC6.20
/voltageregulators/COMP: C33.2 IC6.9 R37.2
/voltageregulators/HDRV1: IC6.27 Q10.1
/voltageregulators/HDRV2: IC6.19 Q12.1
/voltageregulators/IC5_VREF: C18.1 IC5.12 IC5.14 R16.1 R17.2 R22.1 R24.2
/voltageregulators/LDRV1: IC6.25 Q11.1
/voltageregulators/LDRV2: IC6.21 Q13.1
/voltageregulators/OVPSET: IC5.18 R14.1 R15.2
/voltageregulators/PGOOD: IC6.17 R36.2
/voltageregulators/RT: IC6.6 R38.2
/voltageregulators/SLOPE: C36.2 IC6.7
/voltageregulators/SS: C34.2 IC6.8
/voltageregulators/SW1: C35.2 IC6.28 L2.1 Q10.3 Q11.2
/voltageregulators/SW2: C37.1 IC6.18 L2.2 Q12.3 Q13.2
SERVO_CLK: U5.51 U7.51 U8.51 Y1.3
SERVO_ENI: IC7.24 R49.1 R70.1 R95.1 U5.55 U7.55 U8.55
SPI_MISO: IC7.45 U5.9 U7.9 U8.9
SPI_MOSI: IC7.46 U5.8 U7.8 U8.8
SPI_SCK: IC7.44 U5.7 U7.7 U8.7
TMC_DB_MISO: IC7.25 U5.4 U7.4 U8.4
TMC_DB_MOSI: IC7.26 U5.1 U7.1 U8.1
TMC_DB_SCK: IC7.27 U5.76 U7.76 U8.76
Net-(C11-Pad1): C11.1 R13.1
Net-(C32-Pad2): C32.2 R37.1
Net-(D1-A): D1.2 R1.2
Net-(D1-K): C2.2 D1.1 IC1.8
Net-(D2-A): D2.2 R4.2
Net-(D2-K): C4.2 D2.1 IC2.8
Net-(D3-A): D3.2 R7.2
Net-(D3-K): C6.2 D3.1 IC3.8
Net-(D4-K): D4.1 D5.1 R12.2
Net-(D6-A): D6.2 R16.2
Net-(D6-K): D6.1 IC5.9
Net-(D7-A): C14.1 C17.2 C19.1 D7.2 IC5.2 IC5.3 IC5.5 Q9.3 Q10.2 R21.1 R30.2 R33.2
Net-(D7-K): D7.1 R28.2
Net-(D8-A): D8.2 R29.1
Net-(D23-A): D23.2 R50.1
Net-(D26-A): D26.2 R52.1
Net-(D27-A): C65.2 D27.2 D28.1 R53.2 R54.1 U5.20
Net-(D29-A): D29.2 R55.1
Net-(D30-A): D30.2 R56.1
Net-(D31-A): D31.2 R57.1
Net-(D32-A): D32.2 R58.1
Net-(D33-A): D33.2 R59.1
Net-(D34-A): D34.2 R62.1
Net-(D35-A): D35.2 R63.1
Net-(D48-A): D48.2 R71.1
Net-(D51-A): D51.2 R73.1
Net-(D52-A): C109.2 D52.2 D53.1 R74.2 R75.1 U7.20
Net-(D54-A): D54.2 R76.2
Net-(D54-K): C111.2 D54.1 IC8.8
Net-(D55-A): D55.2 R79.2
Net-(D55-K): C113.2 D55.1 IC9.8
Net-(D56-A): D56.2 R82.2
Net-(D56-K): C115.2 D56.1 IC10.8
Net-(D70-A): D70.2 R96.1
Net-(D73-A): D73.2 R98.1
Net-(D74-A): C146.2 D74.2 D75.1 R99.2 R100.1 U8.20
Net-(D76-A): D76.2 R101.2
Net-(D76-K): C148.2 D76.1 IC13.8
Net-(D77-A): D77.2 R104.2
Net-(D77-K): C150.2 D77.1 IC14.8
Net-(D78-A): D78.2 R107.2
Net-(D78-K): C152.2 D78.1 IC15.8
Net-(IC1-HO): IC1.7 R2.1
Net-(IC1-HS): C2.1 IC1.6
Net-(IC1-LO): IC1.5 R3.2
Net-(IC2-HO): IC2.7 R5.1
Net-(IC2-HS): C4.1 IC2.6
Net-(IC2-LO): IC2.5 R6.2
Net-(IC3-HO): IC3.7 R8.1
Net-(IC3-HS): C6.1 IC3.6
Net-(IC3-LO): IC3.5 R9.2
Net-(IC4-IN+1): IC4.3 Q1.3 Q2.2 R10.2
Net-(IC4-IN+2): IC4.7 Q3.3 Q4.2 R11.2
Net-(IC5-ACDRV): IC5.8 R19.1
Net-(IC5-ACP): C17.1 IC5.6 Q7.3 Q8.2 Q8.3 R20.2 R21.2
Net-(IC5-ACSET): IC5.17 R24.1 R25.2
Net-(IC5-AVCC): C12.1 IC5.4 R12.1
Net-(IC5-BTST): C21.1 IC5.21
Net-(IC5-CMSRC): IC5.7 R20.1
Net-(IC5-ISET): IC5.13 R22.2 R23.1
Net-(IC5-REGN): C23.1 IC5.20
Net-(IC5-SRP): C24.2 C25.1 IC5.16 L1.2 R27.2
Net-(IC5-SW_1): C21.2 IC5.1 IC5.24 L1.1
Net-(IC5-TS): IC5.10 R17.1 R18.2
Net-(IC5-TTC): C15.1 IC5.11
Net-(IC5-~{BATDRV}): IC5.19 R26.2
Net-(IC6-CS): IC6.16 Q11.3 Q13.3 R39.2
Net-(IC6-EN/UVLO): IC6.1 R30.1 R31.2
Net-(IC6-FB): IC6.11 R34.1 R35.2
Net-(IC6-MODE): IC6.4 R32.2
Net-(IC6-VIN): C30.1 IC6.2 R28.1
Net-(IC6-VISNS): IC6.3 R33.1
Net-(IC7-PA30): IC7.57 U6.3
Net-(IC7-PA31): IC7.58 R60.1 U6.7
Net-(IC7-PB30): IC7.59 U6.6
Net-(IC7-VDDCORE): C79.2 C80.2 IC7.53
Net-(IC8-HO): IC8.7 R77.1
Net-(IC8-HS): C111.1 IC8.6
Net-(IC8-LO): IC8.5 R78.2
Net-(IC9-HO): IC9.7 R80.1
Net-(IC9-HS): C113.1 IC9.6
Net-(IC9-LO): IC9.5 R81.2
Net-(IC10-HO): IC10.7 R83.1
Net-(IC10-HS): C115.1 IC10.6
Net-(IC10-LO): IC10.5 R84.2
Net-(IC11-IN+1): IC11.3 Q14.3 Q15.2 R85.2
Net-(IC11-IN+2): IC11.7 Q16.3 Q17.2 R86.2
Net-(IC12-LO): IC12.5 R87.2
Net-(IC13-HO): IC13.7 R102.1
Net-(IC13-HS): C148.1 IC13.6
Net-(IC13-LO): IC13.5 R103.2
Net-(IC14-HO): IC14.7 R105.1
Net-(IC14-HS): C150.1 IC14.6
Net-(IC14-LO): IC14.5 R106.2
Net-(IC15-HO): IC15.7 R108.1
Net-(IC15-HS): C152.1 IC15.6
Net-(IC15-LO): IC15.5 R109.2
Net-(IC16-IN+1): IC16.3 Q21.3 Q22.2 R110.2
Net-(IC16-IN+2): IC16.7 Q23.3 Q24.2 R111.2
Net-(P1-PadA5): P1.A5 R40.1
Net-(P1-PadB5): P1.B5 R41.2
Net-(Q1-G): Q1.1 R8.2
Net-(Q2-G): Q2.1 R9.1
Net-(Q3-G): Q3.1 R5.2
Net-(Q4-G): Q4.1 R6.1
Net-(Q5-G): Q5.1 R2.2
Net-(Q6-G): Q6.1 R3.1
Net-(Q7-G): Q7.1 Q8.1 R19.2
Net-(Q9-G): Q9.1 R26.1
Net-(Q14-G): Q14.1 R83.2
Net-(Q15-G): Q15.1 R84.1
Net-(Q16-G): Q16.1 R80.2
Net-(Q17-G): Q17.1 R81.1
Net-(Q18-G): Q18.1 R77.2
Net-(Q19-G): Q19.1 R78.1
Net-(Q20-G): Q20.1 R87.1
Net-(Q21-G): Q21.1 R108.2
Net-(Q22-G): Q22.1 R109.1
Net-(Q23-G): Q23.1 R105.2
Net-(Q24-G): Q24.1 R106.1
Net-(Q25-G): Q25.1 R102.2
Net-(Q26-G): Q26.1 R103.1
Net-(U5-GPIO2_/_ADC_VM_MCD): R50.2 U5.74
Net-(U5-GPIO7_/_AENC_WY_MCD_/_DBGSPI_TRG): R52.2 U5.5
Net-(U5-NRST): C52.1 R51.1 U5.50
Net-(U5-VCCCORE1): C61.2 U5.15
Net-(U5-VCCCORE2): C58.2 U5.45
Net-(U5-VCCCORE3): C45.2 U5.63
Net-(U6-PA16): R62.2 U6.13
Net-(U6-PA17): R63.2 U6.14
Net-(U7-GPIO2_/_ADC_VM_MCD): R71.2 U7.74
Net-(U7-GPIO7_/_AENC_WY_MCD_/_DBGSPI_TRG): R73.2 U7.5
Net-(U7-NRST): C96.1 R72.1 U7.50
Net-(U7-VCCCORE1): C105.2 U7.15
Net-(U7-VCCCORE2): C102.2 U7.45
Net-(U7-VCCCORE3): C89.2 U7.63
Net-(U8-GPIO2_/_ADC_VM_MCD): R96.2 U8.74
Net-(U8-GPIO7_/_AENC_WY_MCD_/_DBGSPI_TRG): R98.2 U8.5
Net-(U8-NRST): C133.1 R97.1 U8.50
Net-(U8-VCCCORE1): C142.2 U8.15
Net-(U8-VCCCORE2): C139.2 U8.45
Net-(U8-VCCCORE3): C126.2 U8.63
